# Altium PCB MOTOR SECOND.PcbDoc (part 4 of 4)
Units mil, origin at the board's own origin, x right, y up, seen from the top; angles counter-clockwise.
Board outline 3164.64 x 1945.03 mil, 2 copper layers (Top Layer, Bottom Layer); 69 components, 47 nets, 203 pads, 228 vias.
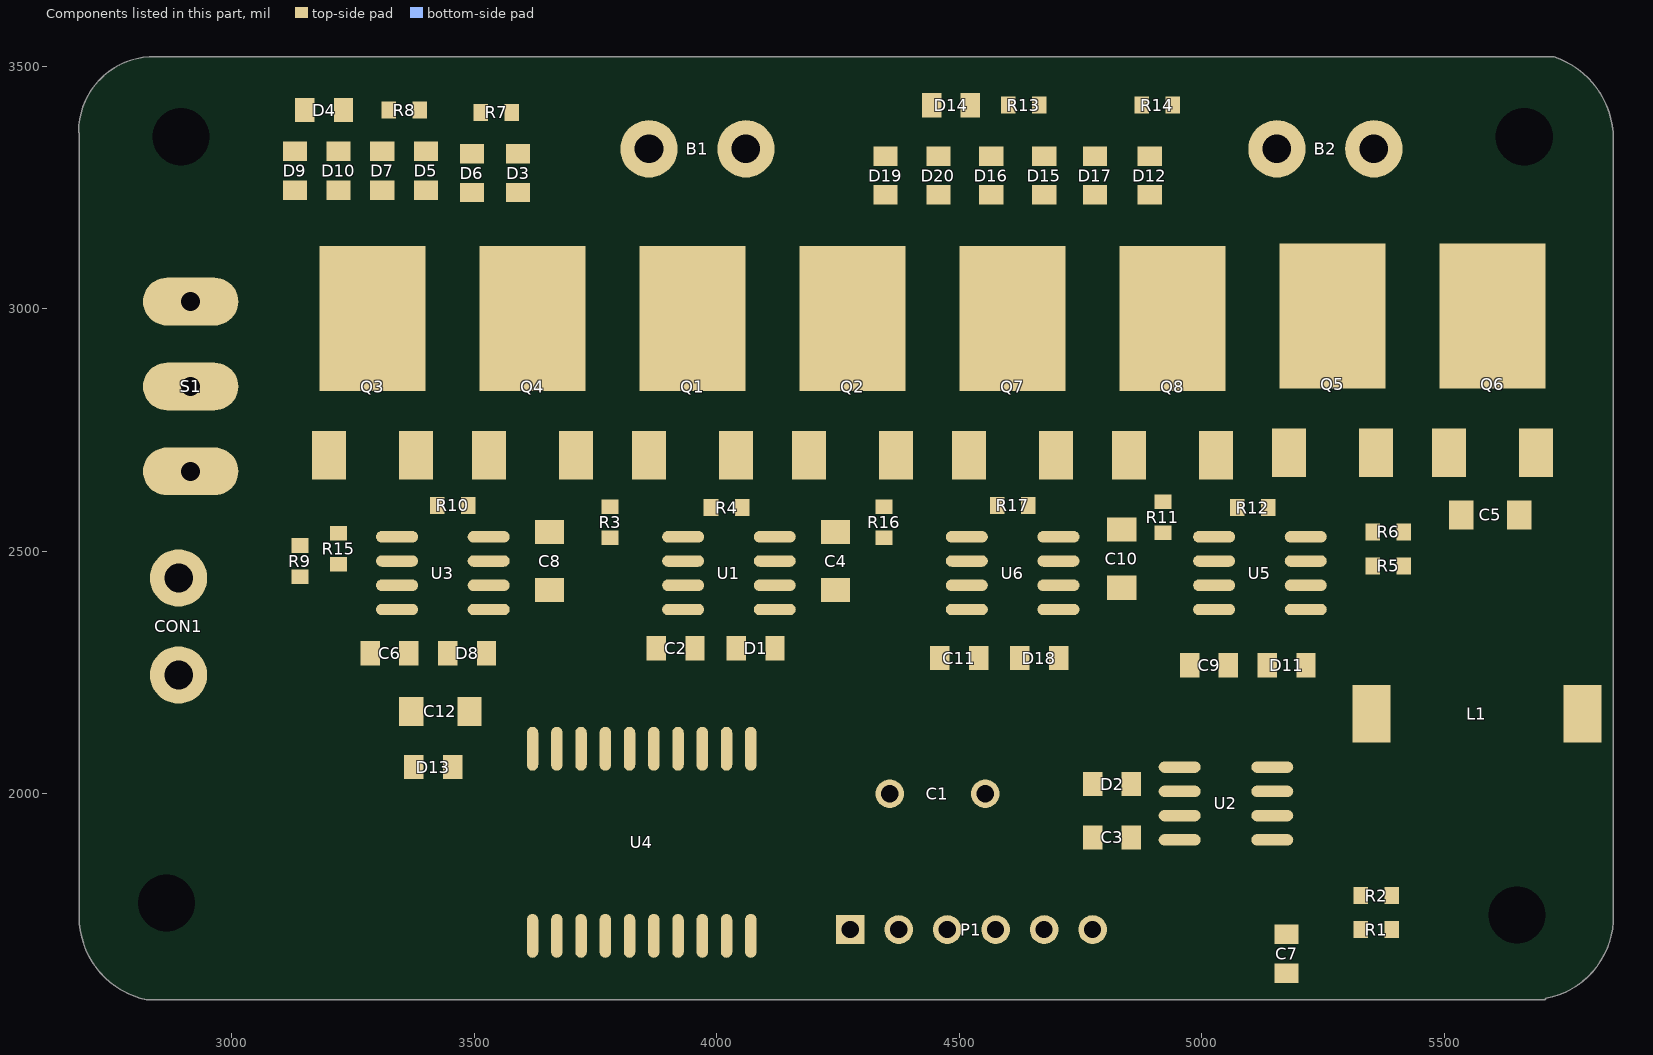
[diagram p4: the components of this part, seen from the top]

## Silkscreen, mask and mechanical layers (free items; w line width, h text height) (continued)
Top Paste:
  lines w80: 2915,2480 2915,2665 ; 2915,2602.5 2915,2695 ; 2915,2673.75 2915,2720 ; 2915,2758.75 2915,2805 ; 3375,2705 3540.24,2870.24 ; 3600,3070 3840,3310 ; 4025,2695 4240,2910 ; 4070,3335 4305,3100 ; 4695,2700 4861.49,2866.49 ; 4920,3095 5155,3330 ; 5360,2710 5526.49,2876.49 ; 5360,3325 5585,3100
Bottom Paste:
  lines w80: 2915,3015 3250,3015 3465,3230 ; 3475,3230 3820,3230 ; 3830,3210 3990,3050 ; 3985,3065 4155,3235 ; 4145,3230 4445,3230 ; 4460,3220 4640,3040 ; 4629.06,3049.06 4800,3220 ; 4810,3220 5153.11,3220 ; 5145,3220 5290.94,3074.06
Top Solder:
  lines w80: 2915,2470 2915,2665 ; 2915,2590 2915,2815 ; 3390,2725 3555.24,2890.24 ; 3600,3070 3840,3310 ; 4020,2690 4235,2905 ; 4095,3310 4330,3075 ; 4705,2710 4871.49,2876.49 ; 4900,3075 5135,3310 ; 5370,2715 5536.49,2881.49 ; 5385,3300 5610,3075
Bottom Solder:
  lines w80: 2905,3015 3240,3015 ; 3250,3015 3465,3230 3810,3230 ; 3820,3220 3980,3060 ; 3985,3060 4155,3230 ; 4150,3230 4450,3230 ; 4455,3230 4635,3050 ; 4620,3040 4790.94,3210.94 ; 4800.94,3220.94 5144.06,3220.94 ; 5155,3210 5300.94,3064.06